# Altium PCB EL2086.PcbDoc (part 4 of 4)
Units mil, origin at the board's own origin, x right, y up, seen from the top; angles counter-clockwise.
Board outline 2480.31 x 1417.32 mil, 6 copper layers (L1_TOP, L2_GND, L3_HS, L4_POWER, L5_GND, L6_BOT), stack 61.6 mil thick; 259 components, 205 nets, 1000 pads, 534 vias.
Unrouted connection lines stored in the file: 92.
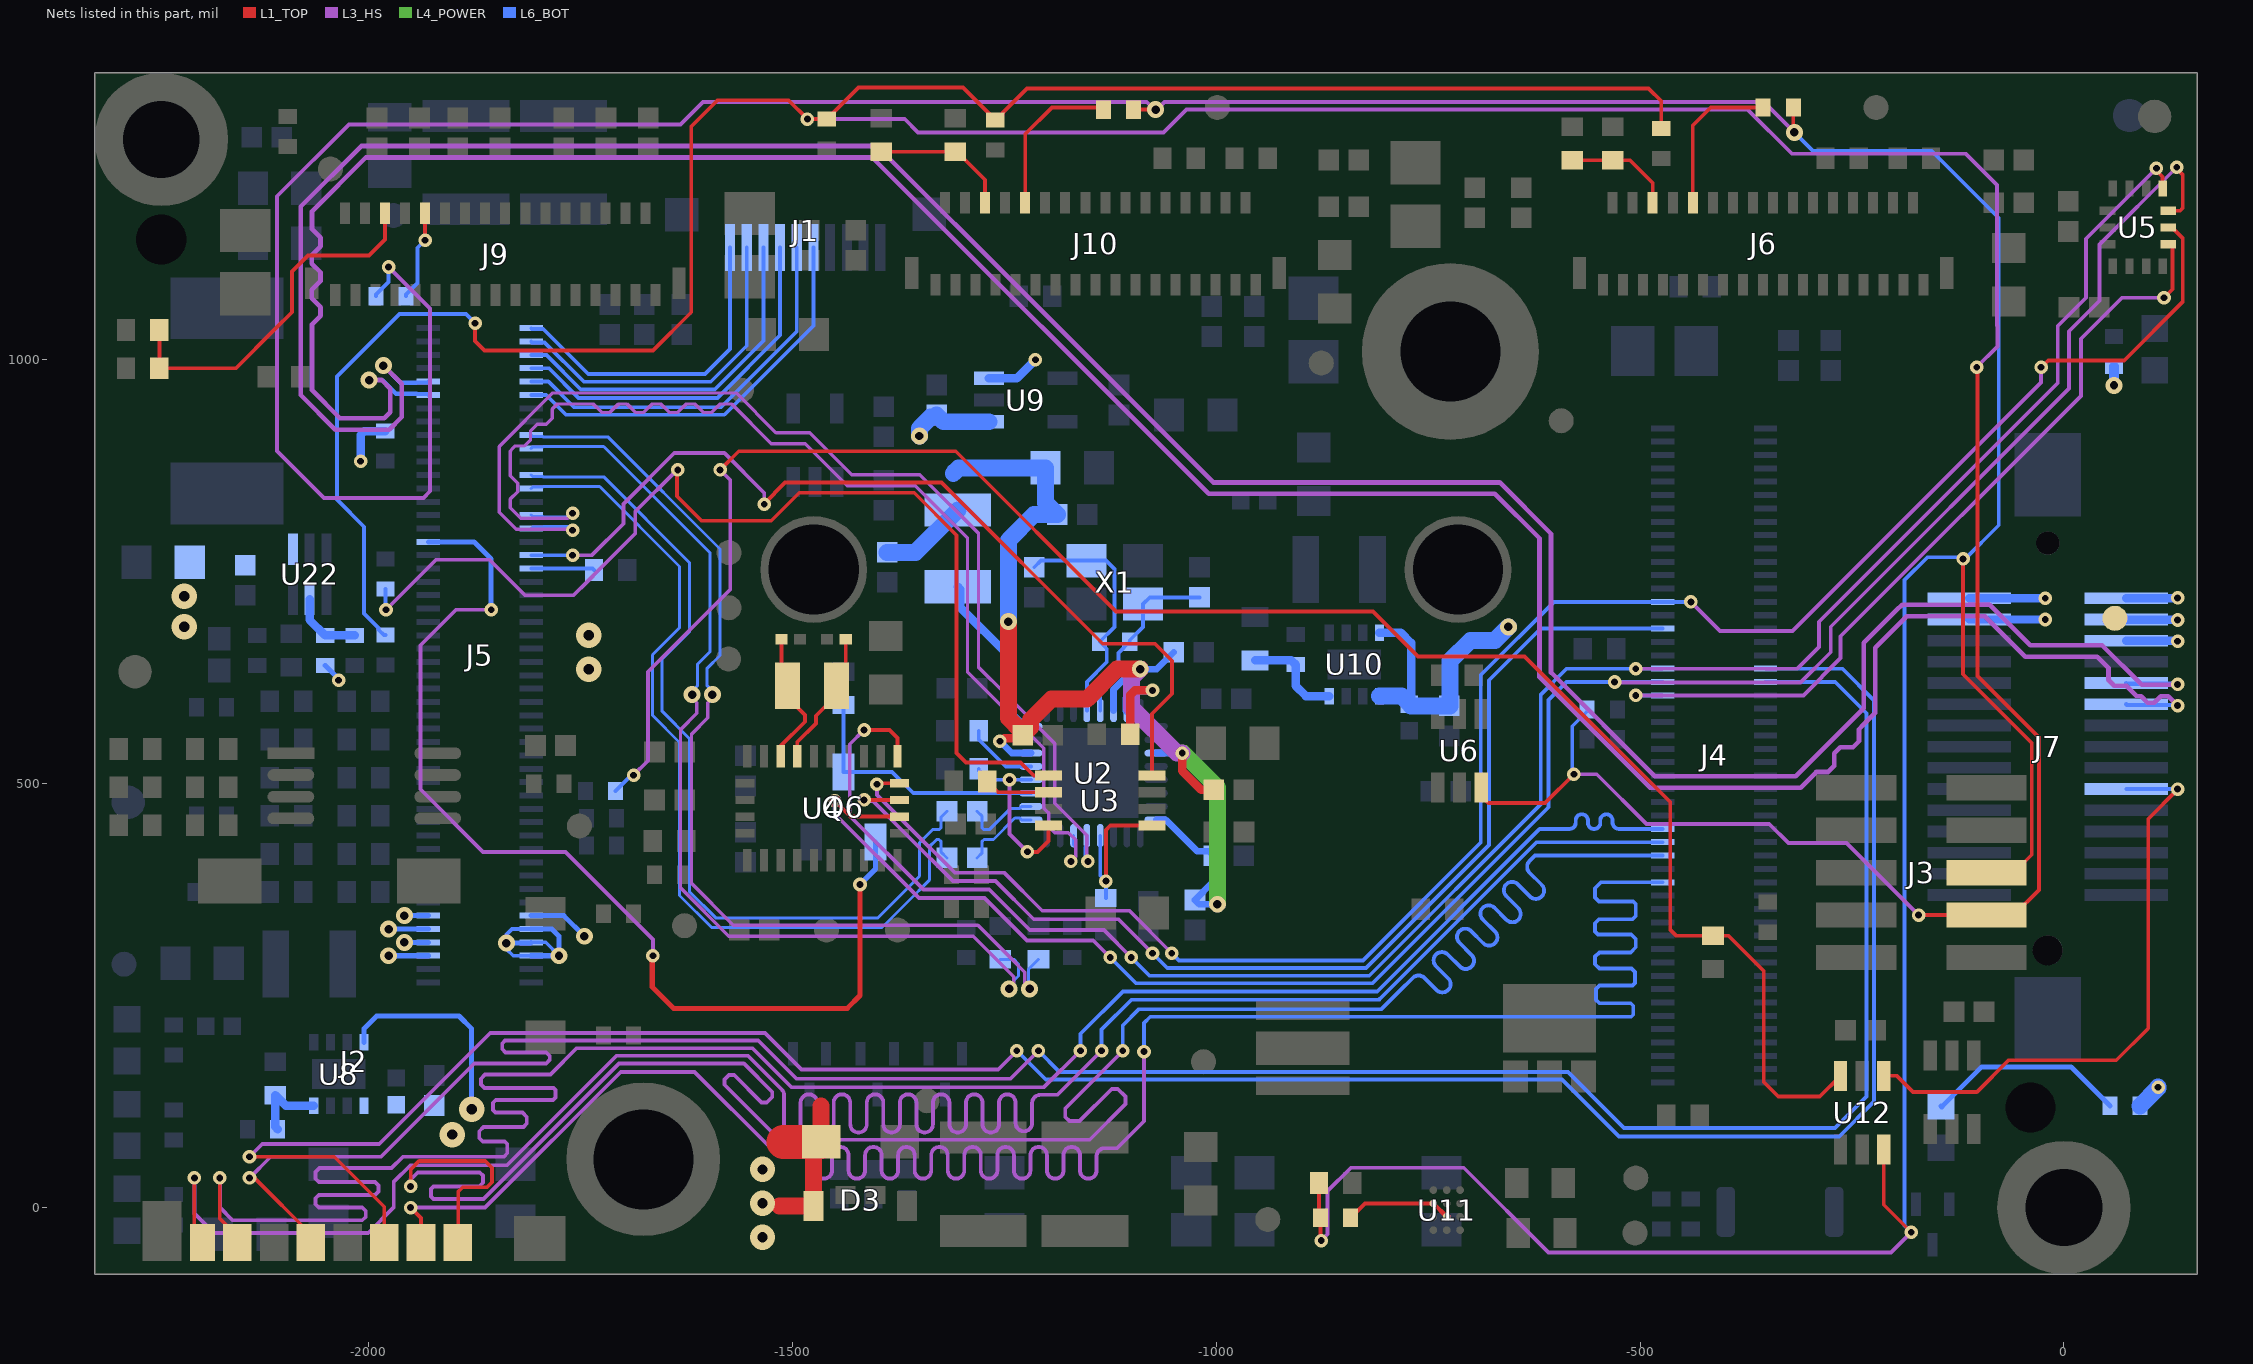
[diagram p8: the nets of this part, all layers, seen from the top]

## Via types
v1: diameter 16, hole 8, L1_TOP to L6_BOT, tented both sides, 345 vias
v2: diameter 20, hole 10, L1_TOP to L6_BOT, tented both sides, 147 vias
v3: diameter 30, hole 12, L1_TOP to L6_BOT, tented both sides, 34 vias
v4: diameter 20, hole 10, L1_TOP to L6_BOT, 8 vias

## Nets (pads, with @x,y where several pads share a name; then routed paths per layer and width w, separated by ;. In a path a pad name is that pad's centre, name@x,y a point inside that pad or via, vN(x,y) a via of type N, cw(c..) or ccw(c..) an arc to the next point about the centre after c; other vN are vias at no path point) (continued)
NetR44_2: R44.2 U3.6 | length 77.4
  L1_TOP w4.5: R44.2@-1269.88,502.42 -1257.3,489.84 U3.6@-1197.72,489.84
NetR46_2: R46.2 U2.31 | length 124
  L1_TOP w10: R46.2@-1101.38,558.07 -1101.26,558.19 -1101.26,604.68 -1095.94,610 v1(-1075,610)
  L6_BOT w10: U2.31@-1105.2,586.24 -1105.2,600.8 -1095.68,610.32 -1075.32,610.32 v1(-1075,610)
NetR67_1: R67.1 R68.2 U8.4 | length 91.7
  L6_BOT w10: R68.2@-2106.85,92.42 -2109.57,95.14 R67.1@-2109.57,132.42 -2097.17,120.02 U8.4@-2064.09,120.02
NetR70_1: R70.1 R71.2 U10.4 | length 119.8
  L6_BOT w10: R71.2@-954,645.41 -911.13,645.41 R70.1@-906,640.28 -906,615.2 -894,603.2 U10.4@-866.37,603.2
NetR124_1: R124.1 R126.2 U22.5 | length 85.2
  L6_BOT w10: U22.5@-2069.08,717.42 -2069.08,693.17 R124.1@-2050.74,674.82 R126.2@-2015.74,674.82
PCIE_1V0: C5.2 C6.2 C9.2 C10.2 C13.2 C14.2 C15.2 C16.2 L1.2 U2.3 U2.8 U2.22 U2.30 | length 1546.6
  L1_TOP w10: v1(-1255,550) -1253.38,550 -1249.67,553.71 -1231.55,553.71 C16.2@-1228.17,557.09 ; v1(-1040,536.04) -1040,515 -1017.74,492.74 C14.2@-1002.72,492.74
  L1_TOP w20: v2(-1245,691) -1245,577.28 -1230.38,562.66 -1230.38,559.29 C16.2@-1228.17,557.09 -1218.95,566.31 -1218.95,575.09 -1194.04,600 -1152,600 -1117,635 v2(-1089.45,635)
  L3_HS w20: v2(-1089.45,635) -1100,624.45 -1100,605.93 -1100,590 -1046.04,536.04 v1(-1040,536.04)
  L4_POWER w20: v1@-1039.04,536.04 -998.44,495.44 v2(-998.44,357.76)
  L6_BOT w7.87: v1(-1255,550) -1241.04,536.04 U2.22@-1218.39,536.04 ; U2.30@-1120.94,586.24 -1120.94,611.06 -1097,635 v2(-1089.45,635) -1070,635 C15.2@-1050,655 ; U2.8@-1070.75,457.3 -1059.3,457.3 -1022.12,420.12 -1007.84,420.12 C13.2@-1002.72,415 -1002.72,385 C10.2@-1025,362.72 -1020.04,357.76 v2(-998.44,357.76) ; U2.3@-1070.75,536.04 v1(-1040,536.04)
  L6_BOT w20: C6.2@-1388,772.85 -1354.41,772.85 L1.2@-1304.57,822.7 ; -1310,866 -1303.58,872.42 C5.2@-1201.06,872.42 -1201.06,831.2 C9.2@-1187.28,817.42 -1214.58,817.42 -1245,787 v2(-1245,691)
PCIe_CLKREQ_N_1V8: J5.65 U3.4 | length 1095.9
  L1_TOP w4.5: v1(-1532.9,829.59) -1533.31,830 -1508.31,855 -1323.73,855 -1133.73,665 -1072,665 -1052,645 -1052,606 -1075.67,582.33 U3.4@-1075.67,509.53
  L3_HS w4.5: v1(-1759,769.46) -1736.08,769.46 -1699,806.54 -1699,830 -1639,890 -1580,890 -1532.9,842.9 v1(-1532.9,829.59)
  L6_BOT w4.5: J5.65@-1807.8,769.46 v1(-1759,769.46)
PCIe_CLKREQ_N_3V3: R42.1 U2.12 U3.1 | length 193
  L1_TOP w4.5: v1(-1130,385) -1130,445.35 -1124.88,450.47 U3.1@-1075.67,450.47
  L6_BOT w4.5: U2.12@-1136.69,438.6 -1136.69,391.69 v1(-1130,385) R42.1@-1130,365.14
PCIe_ISOLATE_N_1V8: R28.2 U3.5 | length 1271.1
  L1_TOP w4.5: v1(-1635,870) -1636,869 -1636,839 -1607,810 -1524.59,810 -1491.59,843 -1356,843 -1306,793 -1306,536 -1295,525 -1230.51,525 -1215.04,509.53 U3.5@-1197.72,509.53
  L3_HS w4.5: v1(-1979,705) -1920,764 -1856.78,764 -1815,722.22 -1757.78,722.22 -1742,738 -1727.81,752.19 -1685,795 -1685,820.83 -1635.83,870 v1(-1635,870)
  L6_BOT w4.5: R28.2@-1979.57,729.7 -1979.57,705.57 v1(-1979,705)
PCIe_ISOLATE_N_3V3: R43.1 U2.20 U3.8 | length 210
  L1_TOP w4.5: v1(-1222.53,419.54) -1210.46,419.54 -1197.72,432.28 U3.8@-1197.72,450.47
  L3_HS w4.5: v1(-1243.68,504.55) -1243.68,440.7 v1(-1222.53,419.54)
  L6_BOT w4.5: R43.1@-1279.88,517.42 -1279.88,515.45 -1268.98,504.55 v1(-1243.68,504.55) U2.20@-1218.39,504.55
PCIe_PERST_1V8: J5.68 Q6.1 | length 1267.1
  L1_TOP w6: v1(-1664.25,297.02) -1665,296.27 -1665,260 -1640,235 -1435,235 -1420,250 v1(-1420,381)
  L3_HS w4.5: v1(-1855,705) -1896.57,705 -1938.28,663.28 -1938.28,493.28 -1864.5,419.5 -1767.48,419.5 -1742,394.02 -1664.25,316.28 v1(-1664.25,297.02)
  L6_BOT w6: J5.68@-1929.05,785.21 -1875.21,785.21 -1855,765 v1(-1855,705) ; v1(-1420,381) -1401.77,399.23 Q6.1@-1401.77,431.08
PCIe_PERST_N_3V3: Q6.3 R40.1 U2.19 | length 310.5
  L6_BOT w4.5: R40.1@-1439.57,592.74 Q6.3@-1439.57,513.76 -1382.17,513.76 -1357.21,488.8 U2.19@-1218.39,488.8
PCIe_ROOT_PERST_1V8: J5.63 R27.1 | length 74.8
  L6_BOT w4.5: J5.63@-1807.8,753.71 -1735.4,753.71 R27.1@-1733.69,752
PCIe_WAKE_N: R41.1 U2.21 | length 85
  L6_BOT w4.5: R41.1@-1279.88,562.42 -1279.88,552.07 -1259,531.19 -1248.1,520.3 -1238.07,520.3 U2.21@-1218.39,520.3
PG_LED: D1.2 R4.1 | length 238.2
  L6_BOT w6: D1.2@-145,119.61 -144.2,118.8 -97,166 8.28,166 R4.1@54.28,120
REGOUT: L1.1 U2.24 | length 205.4
  L6_BOT w10: L1.1@-1304.57,732.15 -1301.85,729.43 -1301.85,707.98 -1245,651.13 -1245,585.46 -1238.07,578.53 -1227.08,567.54 U2.24@-1218.39,567.54
sd_hst0_clk: J2.5 J4.61 | length 2874.3
  L1_TOP w4.3: v1(-2140,35) -2134,35 -2067.66,-31.34 J2.5@-2067.66,-41.18
  L3_HS w4.5: v1(-2140,35) -2115,60 -1985,60 -1875,170 -1790,170 -1786,174 -1786,179 -1790,183 -1838,183 -1842,187 -1842,193.66 -1838.66,197 -1540,197 -1495,152 -1242.57,152 v1(-1209.57,185)
  L6_BOT w4.5: v1(-1209.57,185) -1184.57,160 -585,160 -519,94 -270,94 -233,131 -233,583 -269.85,619.85 J4.61@-352.09,619.85
sd_hst0_cmd: J2.3 J4.63 | length 2904.5
  L1_TOP w4.3: v1(-2140,60) -2040,60 -1981.04,1.04 J2.3@-1981.04,-41.18
  L3_HS w4.5: v1(-2140,60) -2125,75 -1987,75 -1856,206 -1532,206 -1489,163 -1257,163 v1(-1235,185)
  L6_BOT w4.5: v1(-1235,185) -1201,151 -592,151 -525,84 -265,84 -224,125 -224,598.11 -261.5,635.6 J4.63@-352.09,635.6
sd_hst0_dat_0: J2.7 J4.40 | length 2747.9
  L1_TOP w4.3: v1(-2175,35) -2175,-13 -2154.27,-33.73 J2.7@-2154.27,-41.18
  L3_HS w4.5: v1(-2175,35) -2175,0 -2160,-15 -2007,-15 -2003,-11 -2003,-4 -2007,0 -2058,0 -2062,4 -2062,11 -2058,15 -1992,15 -1988,19 -1988,26 -1992,30 -2058,30 -2062,34 -2062,42 -2057.51,46.49 -1972.51,46.49 -1959,60 -1840,60 -1836,64 -1836,75 -1839,78 -1865,78 -1869,82 -1869,90 -1864,95 -1817,95 -1813,99 -1813,107 -1818,112 -1850,112 -1853,115 -1853,123.63 -1849.63,127 -1782,127 -1779,130 -1779,138.56 -1781.44,141 -1863,141 -1867,145 -1867,152 -1862.19,156.81 -1785.19,156.81 -1754,188 -1547,188 -1501,142 -1203,142 v1(-1160,185)
  L6_BOT w4.5: v1(-1160,185) -1160,205 -1110,255 -810,255 -618.38,446.62 -585.42,446.62 -583.17,446.62 ccw(c-583.17,453.87) -575.92,453.87 -575.92,456.59 cw(c-568.67,456.59) -561.42,456.59 -561.42,453.74 ccw(c-554.17,453.74) -546.92,453.74 -546.92,456.59 cw(c-539.67,456.59) -532.42,456.59 -532.42,453.87 ccw(c-525.17,453.87) -525.17,446.62 -490.68,446.62 J4.40@-473.35,446.62
sd_hst0_dat_1: J2.8 J4.38 | length 2712.4
  L1_TOP w4.3: v1(-2205,35) -2205,-31.79 J2.8@-2195.61,-41.18
  L3_HS w4.5: v1(-2205,35) -2205,-7.09 -2182.09,-30 -2000,-30 -1970,0 -1970,30 -1950,50 -1836.19,50 -1707.19,179 -1552,179 -1539,166 -1512.36,139.36 cw(c-1519.25,132.46) -1509.5,132.46 -1509.5,98.25 ccw(c-1499.75,98.25) -1490,98.25 -1490,123.75 cw(c-1480.25,123.75) -1470.5,123.75 -1470.5,98.25 ccw(c-1460.75,98.25) -1451,98.25 -1451,123.75 cw(c-1441.25,123.75) -1431.5,123.75 -1431.5,98.25 ccw(c-1421.75,98.25) -1412,98.25 -1412,123.75 cw(c-1402.25,123.75) -1392.5,123.75 -1392.5,98.25 ccw(c-1382.75,98.25) -1373,98.25 -1373,123.75 cw(c-1363.25,123.75) -1353.5,123.75 -1353.5,98.25 ccw(c-1343.75,98.25) -1334,98.25 -1334,123.75 cw(c-1324.25,123.75) -1314.5,123.75 -1314.5,98.25 ccw(c-1304.75,98.25) -1295,98.25 -1295,123.75 cw(c-1285.25,123.75) -1275.5,123.75 -1275.5,98.25 ccw(c-1265.75,98.25) -1256,98.25 -1256,123.75 cw(c-1246.25,123.75) -1236.5,123.75 -1236.5,99.77 ccw(c-1226.75,99.77) -1217,99.77 -1217,123.25 cw(c-1207.25,123.25) -1207.25,133 -1205,133 -1187,133 v1(-1135,185)
  L6_BOT w4.5: v1(-1135,185) -1135,210 -1100,245 -808,245 -806.5,246.5 -622.1,430.88 J4.38@-473.35,430.88
sd_hst0_dat_2: J2.1 J4.36 | length 2783.5
  L1_TOP w4.3: v1(-1950,25) -1950,45 -1940,55 -1862,55 -1854,47 -1854,30 -1860,24 -1888.55,24 -1894,18.55 -1894,-40.75 J2.1@-1894.43,-41.18
  L3_HS w4.5: v1(-1950,25) -1950,33 -1941.5,41.5 -1868.5,41.5 -1864.73,37.73 -1864.73,29.27 -1869,25 -1923,25 -1926,22 -1926,13 -1923,10 -1864.17,10 -1704.17,170 -1557,170 -1523.5,136.5 -1523.5,130.5 -1530,124 -1536,124 -1568.32,156.32 -1574.68,156.32 -1579.82,151.18 -1579.82,144.82 -1515,80 -1149,80 -1107,122 -1107,131 -1116,140 -1123,140 -1161,102 -1173,102 -1178,107 -1178,117 v1(-1110,185)
  L6_BOT w4.5: v1(-1110,185) -1110,215 -1091,234 -805,234 -783.5,255.5 -768.12,270.88 ; -768.12,270.88 cw(c-761.23,263.99) -754.33,270.88 -740.08,256.63 ccw(c-733.19,263.53) -726.3,256.63 ccw(c-733.19,263.53) -726.3,270.42 -740.58,284.7 cw(c-733.68,291.6) -740.58,298.49 cw(c-733.68,291.6) -726.79,298.49 -712.51,284.21 ccw(c-705.61,291.1) -698.72,284.21 ccw(c-705.61,291.1) -698.72,298 -713,312.28 cw(c-706.11,319.17) -713,326.07 cw(c-706.11,319.17) -699.21,326.07 -684.93,311.79 ccw(c-678.04,318.68) -671.14,311.79 ccw(c-678.04,318.68) -671.14,325.58 -685.42,339.86 cw(c-678.53,346.75) -685.42,353.64 cw(c-678.53,346.75) -671.63,353.65 -657.35,339.36 ccw(c-650.46,346.26) -643.56,339.36 ccw(c-650.46,346.26) -643.56,353.15 -657.85,367.43 cw(c-650.95,374.33) -657.84,381.22 cw(c-650.95,374.33) -644.06,381.22 -629.78,366.94 ccw(c-622.88,373.84) -615.99,366.94 ccw(c-622.88,373.84) -615.99,380.73 -630.23,394.98 cw(c-623.34,401.87) -630.23,408.77 -623.87,415.13 -597.13,415.13 J4.36@-473.35,415.13
sd_hst0_dat_3: J2.2 J4.32 | length 2770.8
  L1_TOP w4.3: v1(-1950,0) -1937.74,-12.26 J2.2@-1937.74,-41.18
  L3_HS w4.5: v1(-1950,0) -1862.15,0 -1702.15,160 -1615,160 -1525,70 -1504,70 -1482.25,70 cw(c-1482.25,60.25) -1472.5,60.25 -1472.5,43.82 ccw(c-1462.75,43.82) -1453,43.82 -1453,61.75 cw(c-1443.25,61.75) -1433.5,61.75 -1433.5,43.82 ccw(c-1423.75,43.82) -1414,43.82 -1414,61.75 cw(c-1404.25,61.75) -1394.5,61.75 -1394.5,43.82 ccw(c-1384.75,43.82) -1375,43.82 -1375,61.75 cw(c-1365.25,61.75) -1355.5,61.75 -1355.5,43.82 ccw(c-1345.75,43.82) -1336,43.82 -1336,61.75 cw(c-1326.25,61.75) -1316.5,61.75 -1316.5,43.82 ccw(c-1306.75,43.82) -1297,43.82 -1297,61.75 cw(c-1287.25,61.75) -1277.5,61.75 -1277.5,43.82 ccw(c-1267.75,43.82) -1258,43.82 -1258,61.75 cw(c-1248.25,61.75) -1238.5,61.75 -1238.5,43.82 ccw(c-1228.75,43.82) -1219,43.82 -1219,61.75 cw(c-1209.25,61.75) -1199.5,61.75 -1199.5,43.82 ccw(c-1189.75,43.82) -1180,43.82 -1180,61.75 cw(c-1170.25,61.75) -1160.5,61.75 -1160.5,43.82 ccw(c-1150.75,43.82) -1141,43.82 -1141,60.25 cw(c-1131.25,60.25) -1131.25,70 -1117,70 -1086,101 -1085,102 v1(-1085,184)
  L6_BOT w4.5: v1(-1085,184) -1085,217.69 -1077.69,225 -510.36,225 -508,227.36 -508,238 -511,241 -548,241 -552,245 -552,257.65 -547.65,262 -509,262 -506,265 -506,278 -510,282 -548,282 -553,287 -553,296 -548,301 -511,301 -505,307 -505,316.64 -510.36,322 -549.42,322 -553,325.58 -553,335.34 -548.34,340 -509,340 -505,344 -505,358 -508,361 -548.34,361 -553,365.66 -553,376.56 -545.93,383.63 J4.32@-473.35,383.63
SDS_CLK_N: J5.81 R37.1 | length 1188.7
  L3_HS w4: v2(-1618,605) -1618,600.67 -1612.5,595.17 -1612.5,582.97 -1631.7,563.77 -1631.7,377.06 -1574.65,320 -1286.22,320 -1238.5,272.28 -1238.5,263.5 v2(-1244,258)
  L6_BOT w3.5: J5.81@-1807.8,895.44 -1806,897.24 -1794.05,897.24 -1793.72,897.57 -1722.27,897.57 -1596.75,772.04 -1596.75,655.87 -1611.75,640.87 -1611.75,615.3 -1618,609.05 v2(-1618,605) ; R37.1@-1254.57,292.74 -1238.6,292.74 -1232.96,287.09 -1232.96,273.09 -1244,262.05 v2(-1244,258)
SDS_CLK_P: J5.83 R36.1 | length 1190.4
  L3_HS w4: v2(-1594,605) -1594,600.67 -1599.5,595.17 -1599.5,577.59 -1618.7,558.38 -1618.7,382.44 -1569.26,333 -1364,333 -1280.83,333 -1244.83,297 -1225.5,277.67 -1225.5,263.5 v2(-1220,258)
  L6_BOT w3.5: J5.83@-1807.8,911.19 -1806,909.4 -1794.05,909.4 -1793.72,909.07 -1717.51,909.07 -1585.25,776.81 -1585.25,651.1 -1600.25,636.1 -1600.25,615.3 -1594,609.05 v2(-1594,605) ; v2(-1220,258) -1220,262.05 -1221.46,263.51 -1221.46,280.85 -1218.64,283.66 R36.1@-1209.57,292.74
SDS_RXD1_N: C18.1 U2.18 | length 91.9
  L6_BOT w3.5: C18.1@-1281.85,467.42 -1275.9,461.47 -1275.9,447.72 -1273.85,445.67 -1267.43,445.67 -1242.18,470.93 -1231.54,470.93 -1229.41,473.05 U2.18@-1218.39,473.05
SDS_RXD1_P: C17.1 U2.17 | length 91.9
  L6_BOT w3.5: C17.1@-1281.85,412.42 -1275.9,418.37 -1275.9,432.12 -1273.85,434.17 -1262.67,434.17 -1237.42,459.43 -1231.54,459.43 -1229.41,457.3 U2.17@-1218.39,457.3
SDS_RXD_N: C18.2 J5.77 | length 1043
  L6_BOT w3.5: J5.77@-1807.8,863.95 -1806,862.15 -1794.05,862.15 -1793.72,861.82 -1722.19,861.82 -1621.25,760.88 -1621.25,679.1 -1653.25,647.1 -1653.25,585.32 -1621.25,553.32 -1621.25,372.87 -1590.13,341.75 -1398.9,341.75 -1364,376.65 -1349.74,390.91 -1349.74,430.28 -1334.35,445.67 -1326.69,445.67 -1324.64,447.72 -1324.64,460.07 C18.2@-1317.28,467.42
SDS_RXD_P: C17.2 J5.75 | length 1043
  L6_BOT w3.5: J5.75@-1807.8,848.2 -1806,849.99 -1794.05,849.99 -1793.72,850.32 -1726.96,850.32 -1632.75,756.12 -1632.75,683.87 -1664.75,651.87 -1664.75,580.55 -1632.75,548.55 -1632.75,368.1 -1594.9,330.25 -1394.13,330.25 -1364,360.38 -1338.24,386.14 -1338.24,425.52 -1329.59,434.17 -1326.69,434.17 -1324.64,432.12 -1324.64,419.77 C17.2@-1317.28,412.42
SDS_TXD_N: J5.71 U2.14 | length 1359.6
  L3_HS w4: v1(-1759,818.83) -1764.84,812.99 -1820.2,812.99 -1832.47,825.27 -1832.47,831.69 -1832.47,835.69 -1823.76,844.41 -1823.76,854.41 -1832.47,863.13 -1832.47,867.13 -1832.47,892.25 -1829.28,895.44 -1826.45,898.27 -1815.64,898.27 -1808.57,905.34 -1808.57,916.16 -1800.79,923.94 -1789.97,923.94 -1782.9,931.01 -1782.9,941.82 -1776.98,947.75 -1759,947.75 -1738.82,947.75 -1734.82,947.75 -1724.82,937.75 -1714.82,937.75 -1704.82,947.75 -1694.82,947.75 -1684.82,937.75 -1674.82,937.75 -1664.82,947.75 -1654.82,947.75 -1644.82,937.75 -1634.82,937.75 -1624.82,947.75 -1614.82,947.75 -1604.82,937.75 -1594.82,937.75 -1584.82,947.75 -1579.72,947.75 -1571.49,947.75 -1524.49,900.75 -1484.65,900.75 -1435.2,851.3 -1354.74,851.3 -1293.25,789.81 -1293.25,631.98 -1203.24,541.97 -1203.24,471.27 -1200.14,468.17 -1197.31,465.34 -1197.31,449.31 -1190.24,442.24 -1174.21,442.24 -1165.56,433.59 -1165.56,427.17 -1165.56,413.85 v1(-1171.19,408.22)
  L6_BOT w3.5: J5.71@-1807.8,816.7 -1806,814.91 -1794.05,814.91 -1793.72,814.58 -1763.25,814.58 v1(-1759,818.83) ; v1(-1171.19,408.22) -1166.06,413.35 -1166.06,425.45 -1168.19,427.58 U2.14@-1168.19,438.6
SDS_TXD_P: J5.69 U2.13 | length 1357.4
  L3_HS w4: v1(-1759,798.83) -1760.16,799.99 -1825.58,799.99 -1845.47,819.88 -1845.47,897.64 -1782.36,960.75 -1566.1,960.75 -1519.1,913.75 -1479.26,913.75 -1429.81,864.3 -1349.35,864.3 -1280.25,795.19 -1280.25,637.37 -1248.81,605.93 -1190.24,547.36 -1190.24,476.66 -1152.56,438.98 -1152.56,409.59 v1(-1151.19,408.22)
  L6_BOT w3.5: J5.69@-1807.8,800.96 -1806,802.75 -1794.05,802.75 -1793.72,803.08 -1763.25,803.08 v1(-1759,798.83) ; U2.13@-1152.44,438.6 -1152.44,427.58 -1154.56,425.45 -1154.56,411.59 v1(-1151.19,408.22)
SLASEL: J9.6 R94.2 R95.2 | length 433.2
  L1_TOP w4.5: R95.2@-2246.31,1035 R94.2@-2246.31,990 -2156,990 -2110,1036 -2090,1056 -2090,1104 -2071,1123 -1999,1123 -1980.13,1141.87 J9.6@-1980.13,1172.85
SLASEL1: J6.6 R51.1 R53.2 | length 129.6
  L1_TOP w4.5: R51.1@-580,1235.31 R53.2@-532.27,1235.31 -511.86,1235.31 -485.03,1208.48 -485.03,1200 J6.6@-485.03,1184.95
SLASEL2: J10.6 R120.1 R122.2 | length 163.5
  L1_TOP w4.5: R120.1@-1395,1245.31 R122.2@-1307.57,1245.31 -1305.6,1245.31 -1272.43,1212.14 -1272.43,1203 J10.6@-1272.43,1184.95
SOM_FSYNC: J3.8 R10.2 R26.2 R62.2 R96.2 R123.2 U6.3 | length 5479.9
  L1_TOP w4.5: v1(-1874,1043) -1874,1022 -1863,1011 -1664,1011 -1619.01,1055.99 -1619.01,1274.99 -1588,1306 -1504.28,1306 v1(-1482,1283.72) R96.2@-1459,1283.72 -1421.72,1321 -1298.61,1321 R123.2@-1260.32,1282.72 -1258.36,1282.72 -1252,1289.07 -1252,1291.04 -1223.04,1320 -490,1320 -475,1305 R62.2@-475,1272.72 ; U6.3@-687.41,495.51 -687.41,485.41 -679,477 -612,477 v1(-578,511) ; v1(-171.48,345) -59.17,345 -29.46,374.71 -29.46,554.46 -102,627 -102,990 v1(-103,991)
  L3_HS w4.5: v1(-1482,1283.72) -1367.22,1283.72 -1351.5,1268 -1061.96,1268 -1034.88,1295.08 -373.08,1295.08 -321,1243 -116,1243 -79,1206 -79,1040.41 -78.5,1039.91 -78.5,1015.5 v1(-103,991) ; v1(-578,511) -551,511 -492.56,452.56 -347.58,452.56 -325.02,430 -256.48,430 v1(-171.48,345)
  L6_BOT w4.5: R26.2@-1979.57,675.14 -1981.54,675.14 -1987.89,681.5 -1987.89,683.46 -2005,700.57 -2005,803 -2037,835 -2037,980 -1963,1054 -1884.57,1054 -1874,1043.43 v1(-1874,1043) ; v1(-578,511) -580,513 -580,567.74 -562.28,585.45 R10.2@-562.28,587.42
SPI_BMI270_CS_1V8: J4.60 U5.12 | length 974.5
  L1_TOP w4.5: v1(118,1073) 128.02,1083.02 128.02,1133.89 125.6,1136.31 U5.12@123,1136.31
  L3_HS w4.5: v1(-505,604.11) -307.39,604.11 -263.52,647.98 -263.52,673.75 20,957.26 20,1024.69 68.31,1073 v1(118,1073)
  L6_BOT w4.5: v1(-505,604.11) J4.60@-473.35,604.11
SPI_BNO08x_CS_1V8: J4.70 U4.18 | length 1345.5
  L1_TOP w4.5: v1(-1415.2,480.75) U4.18@-1373.37,480.75
  L3_HS w4.5: v1(-1415.2,480.75) -1413.76,479.31 -1404.77,479.31 -1364,438.54 -1310.46,385 -1260,385 -1215,340 -1115.04,340 v1(-1075.04,300)
  L6_BOT w4.5: v1(-1075.04,300) -1057.54,282.5 -823.08,282.5 -678,427.58 -678,622 -617.15,682.85 J4.70@-473.35,682.85
SPI_MISO_1V8: J4.64 U4.20 U5.1 | length 2421.7
  L1_TOP w4.5: v1(-1415.2,563.25) -1385.37,563.25 -1375.83,553.71 U4.20@-1375.83,532.42 ; v1(109,1225.73) 109,1222.75 116.06,1215.69 116.06,1202.31 U5.1@116.6,1201.77
  L3_HS w4.5: v1(-1415.2,563.25) -1432,546.45 -1432,462 -1345,375 -1267.55,375 -1219.83,327.28 -1132.28,327.28 v1(-1100,295) ; v1(-505,635.6) -314.48,635.6 -289.05,661.03 -289.05,690.95 -7.31,972.69 -7.31,1039.69 26,1073 26,1142.73 v1(109,1225.73)
  L6_BOT w4.5: v1@-1103.32,295 v1(-1100,295) -1078.5,273.5 -819.36,273.5 -617,475.86 -617,605.01 -586.41,635.6 v1(-505,635.6) J4.64@-473.35,635.6
SPI_MOSI_1V8: J4.62 U4.17 U5.14 | length 2461.5
  L1_TOP w4.5: v1(-1450,480) -1431.06,461.06 U4.17@-1373.37,461.06 ; U5.14@123,1175.69 137.05,1175.69 139.98,1178.61 139.98,1218.57 133,1225.55 v1(133,1227)
  L3_HS w4.5: v1(-1450,480) -1450,464.44 -1350.56,365 -1273.07,365 -1223.07,315 -1144.88,315 v1(-1124.88,295) ; v1(-530,619.85) -529.25,619.1 -310.9,619.1 -275,655 -275,685 6,966 6,1033.61 42,1069.61 42,1136 v1(133,1227)
  L6_BOT w4.5: v1(-1124.88,295) -1094.38,264.5 -815.63,264.5 -608,472.13 -608,598.76 -586.9,619.85 v1(-530,619.85) J4.62@-473.35,619.85
SPI_SCK_1V8: J4.74 U4.19 U5.13 | length 2235
  L1_TOP w4.5: v1(-1400,499.26) -1400,500 -1399.57,500.43 U4.19@-1373.37,500.43 ; v1(-27,991) -26.57,991 -18.57,999 71,999 139.98,1067.98 139.98,1143.45 127.43,1156 U5.13@123,1156
  L3_HS w4.5: v1(-1400,499.26) -1400,486.77 -1364,450.77 -1308.23,395 -1250,395 -1205,350 -1102.22,350 v1(-1052.22,300) ; v1(-440,714.34) -405.66,680 -320,680 -27,973 v1(-27,991)